# Altium PCB ctrl_panel.PcbDoc (part 1 of 2)
Units mm, origin at the board's own origin, x right, y up, seen from the top; angles counter-clockwise.
Board outline 182.3 x 81.4 mm, 4 copper layers (Top Layer, Layer 1, Layer 2, Bottom Layer), stack 1.539 mm thick; 90 components, 208 nets, 651 pads, 199 vias.
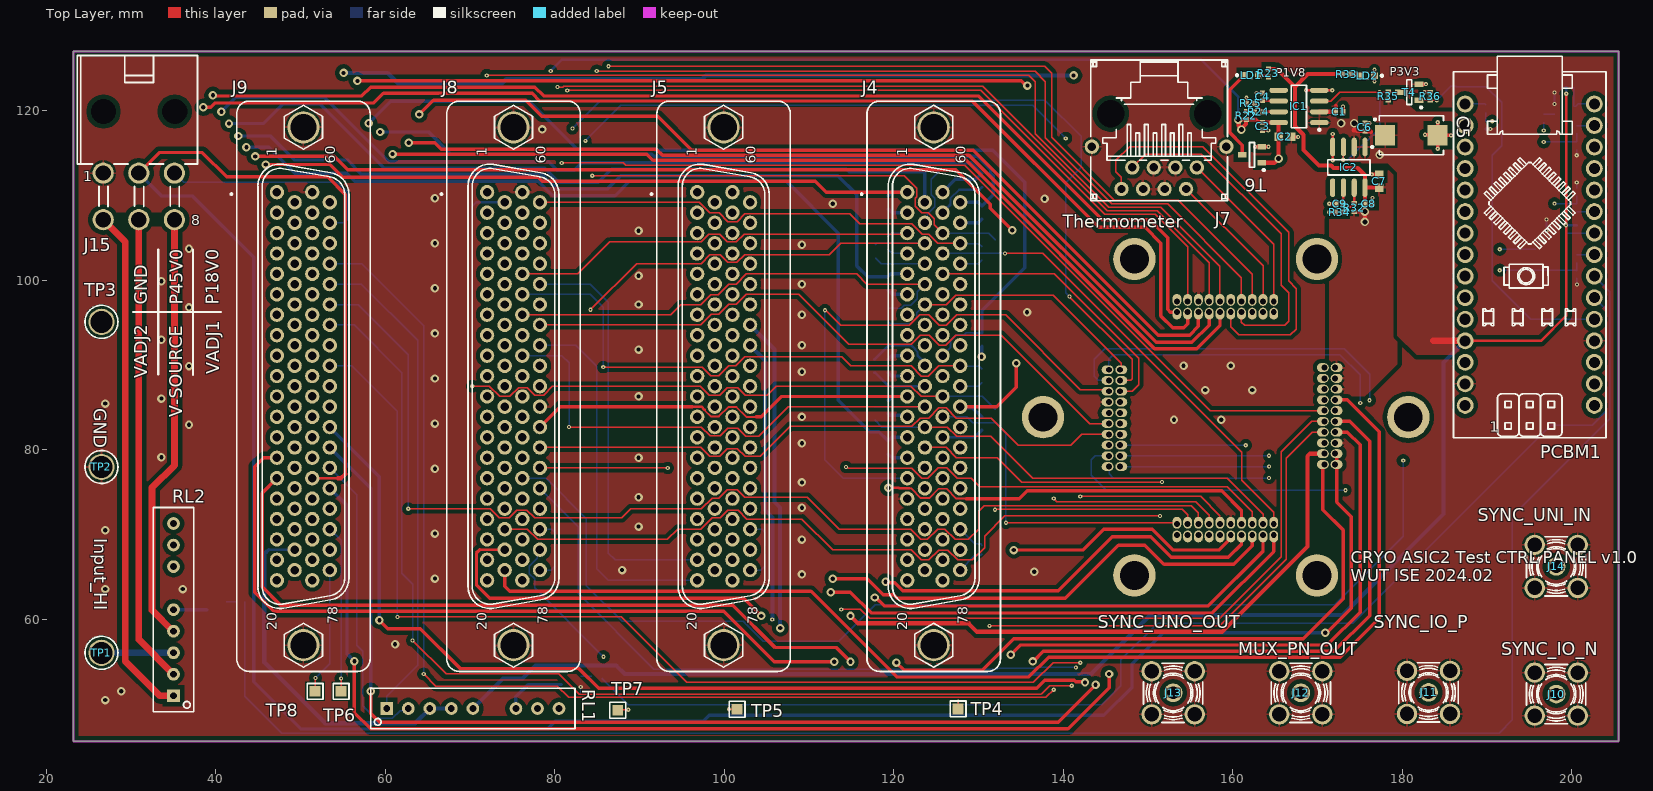
[diagram p0: Top Layer view]
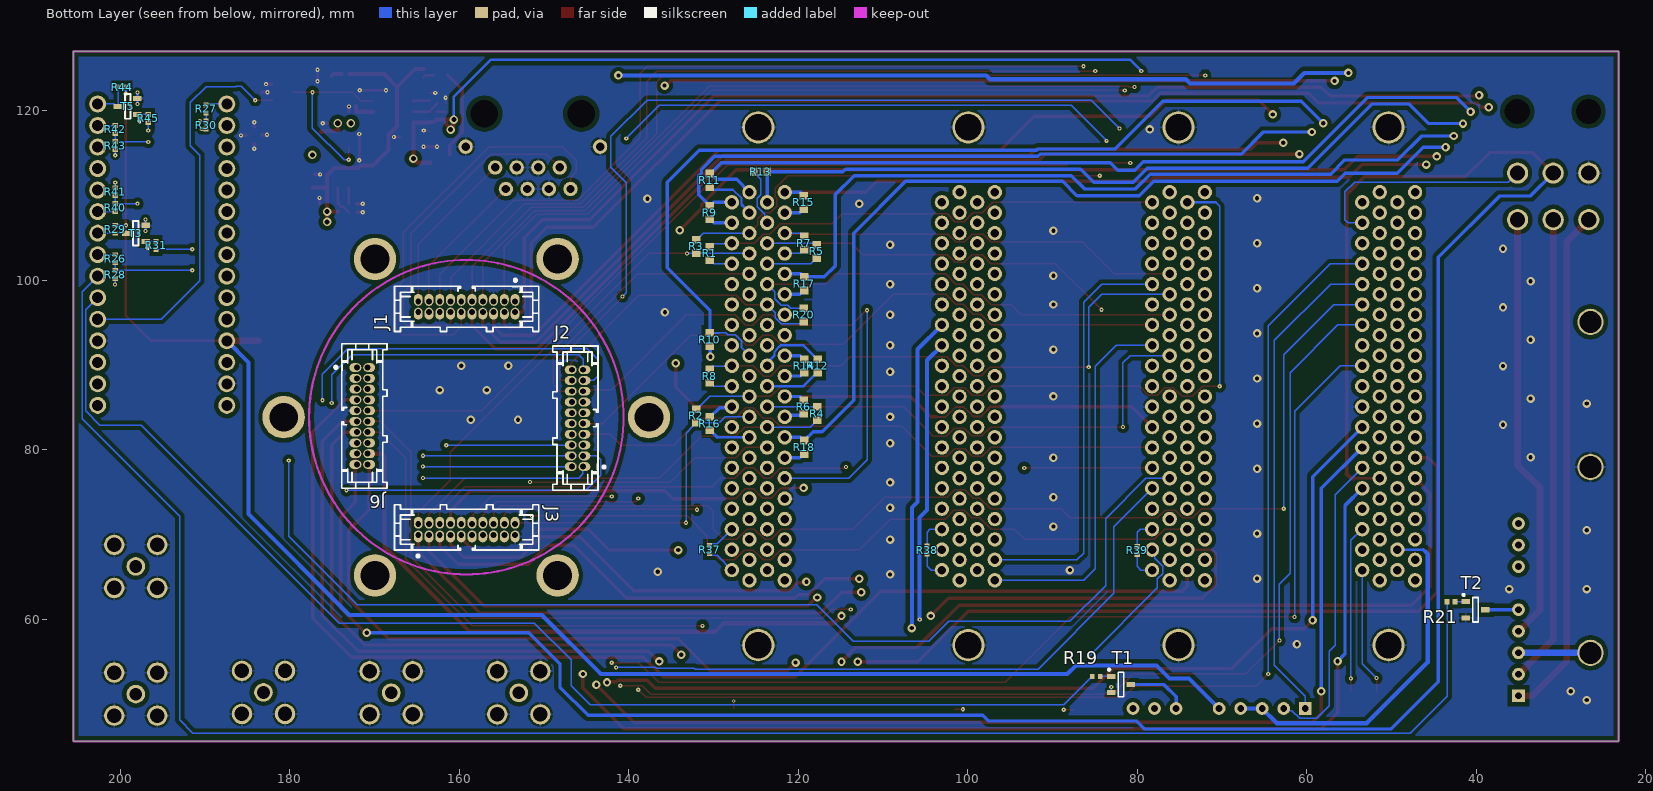
[diagram p1: Bottom Layer view, seen from below]
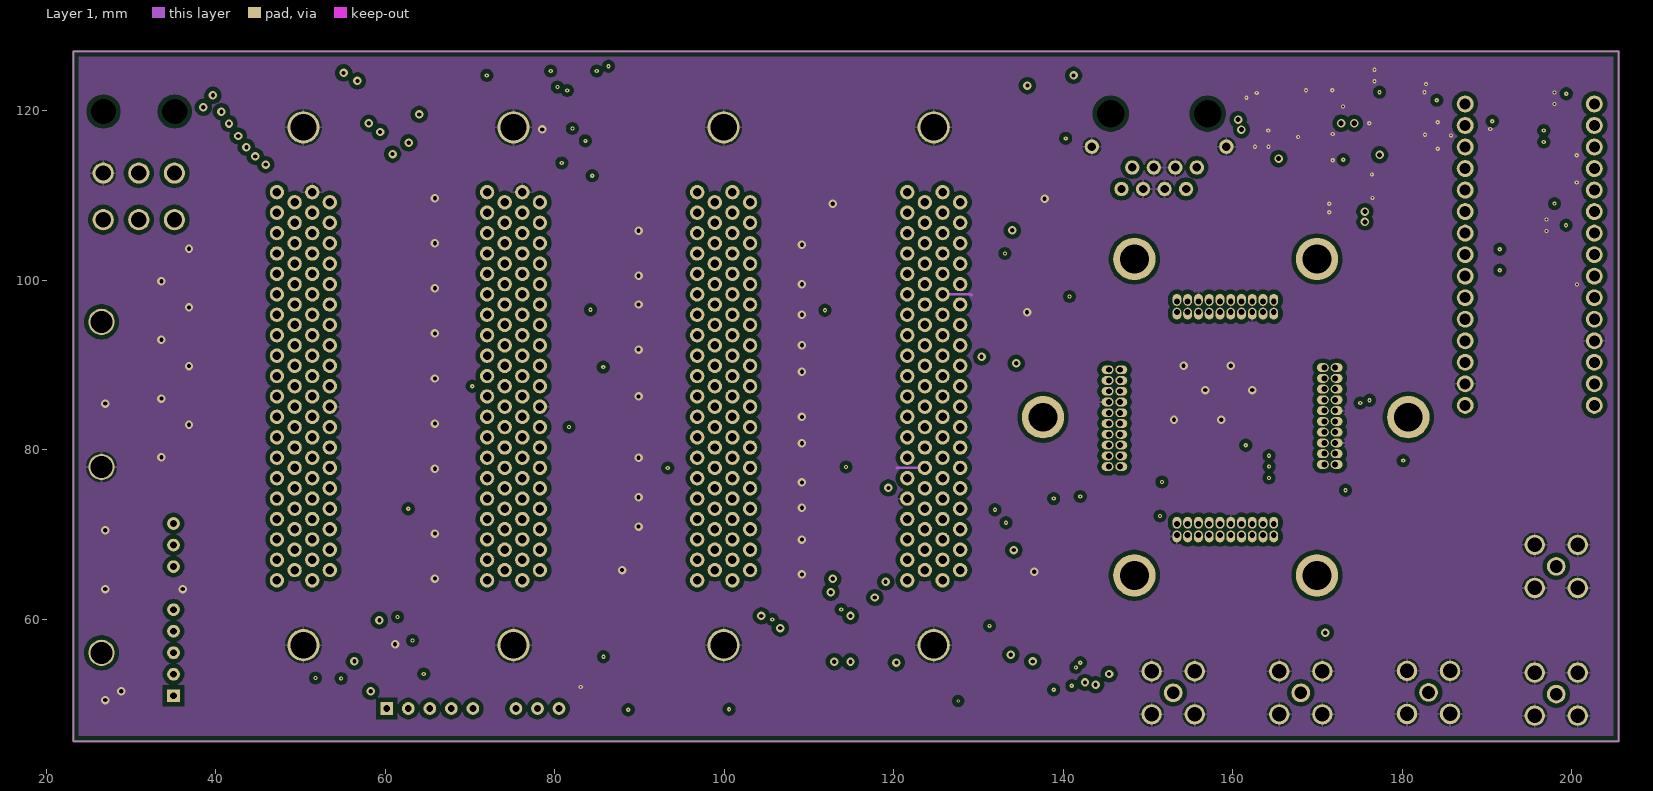
[diagram p2: Layer 1]
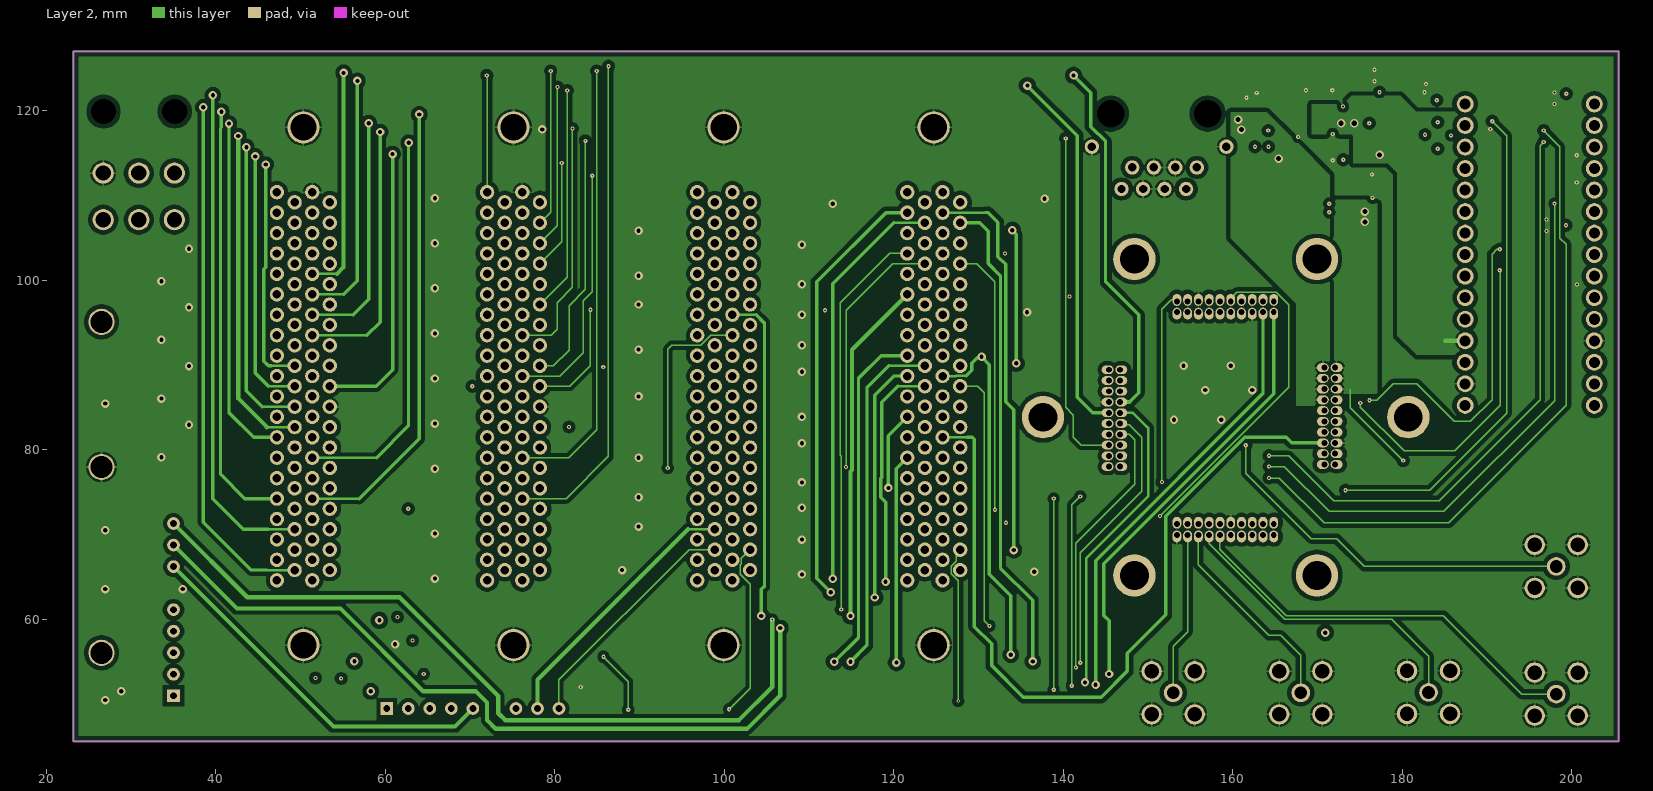
[diagram p3: Layer 2]
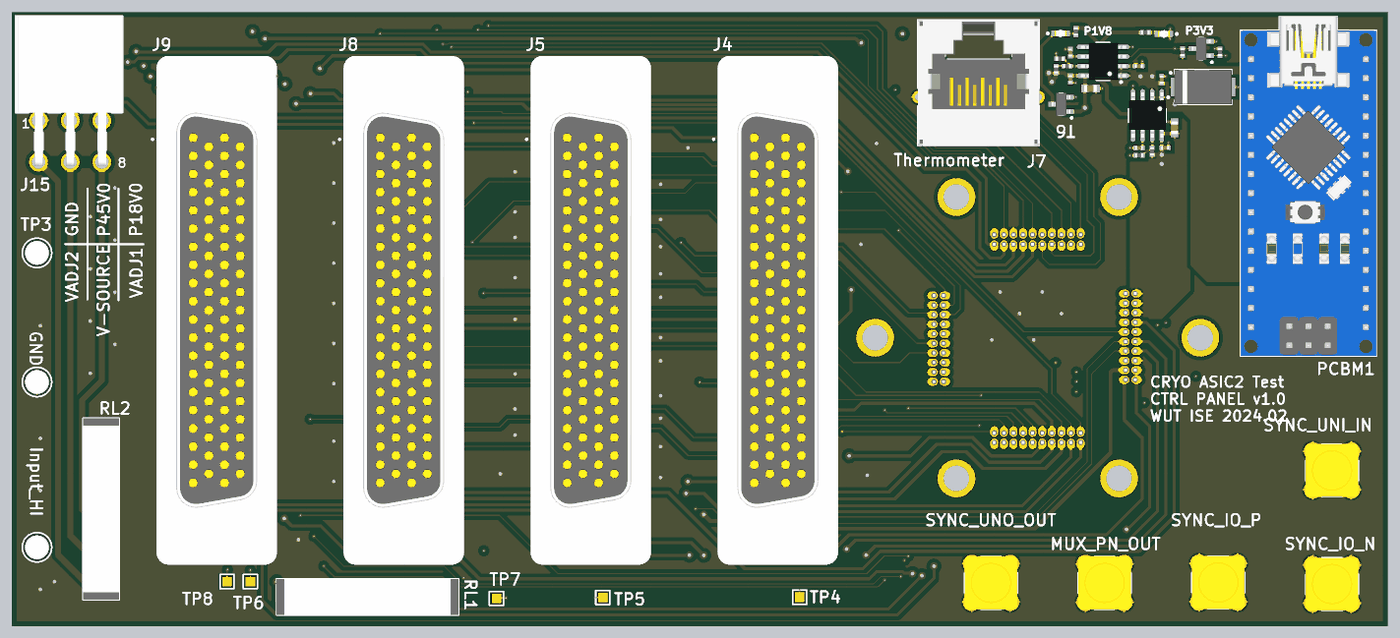
[diagram p5: 3D render of the assembled board from above, using the file's embedded part models]
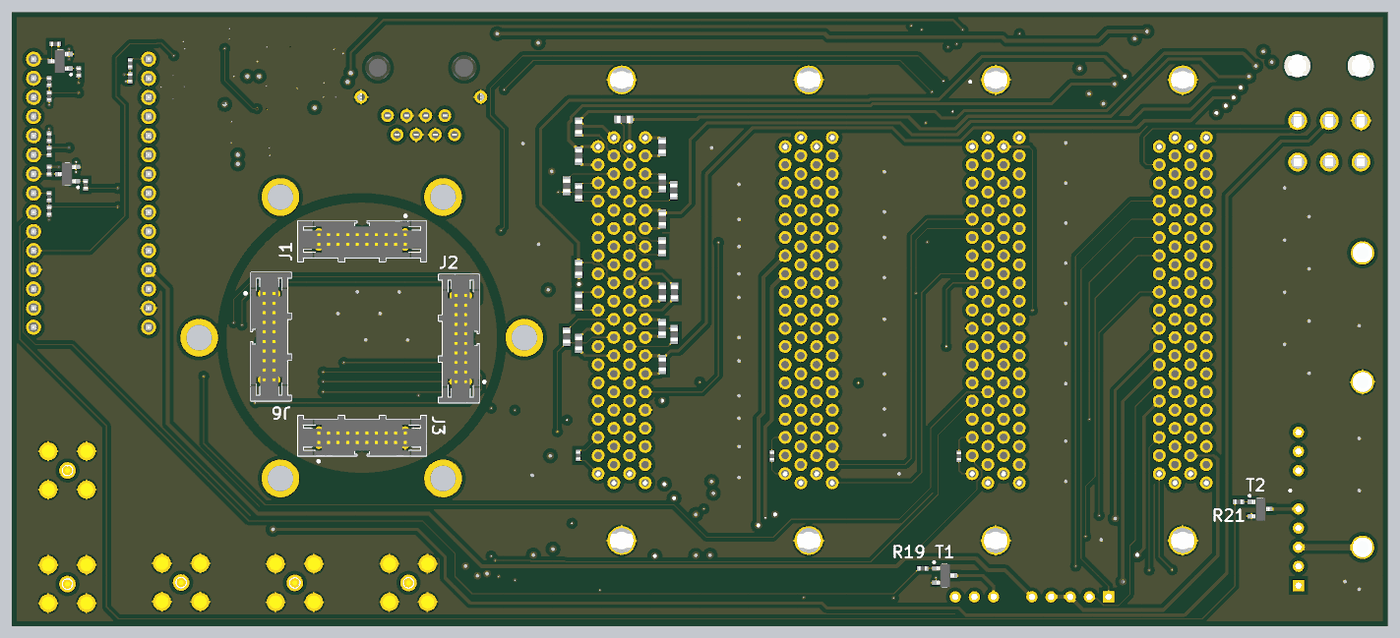
[diagram p6: 3D render of the assembled board from below, using the file's embedded part models]

## Layer stack, top to bottom
Top Solder: solder mask 0.0102, Solder Resist, Dk 3.5
Top Layer: signal copper 0.018
Dielectric 2: prepreg 0.1803, PP-021, Dk 4.7
Dielectric 4: prepreg 0.1803, PP-021, Dk 4.7
Layer 1: signal copper 0.035
Dielectric 1: core 0.7112, Core-039, Dk 4.8
Layer 2: signal copper 0.035
Dielectric 5: prepreg 0.1803, PP-021, Dk 4.7
Dielectric 3: prepreg 0.1803, PP-021, Dk 4.7
Bottom Layer: signal copper 0.018
Bottom Solder: solder mask 0.0102, Solder Resist, Dk 3.5

## Board outline
23.2,45.6 23.2,127 205.5,127 205.5,45.6

## Design rules (kind name [scope] priority, off if disabled: settings)
Clearance Clearance_1 [InNetClass('Imax30') or InNetClass('Imax45')] p1: gap=0.5 ignorepadtopadclearanceinfootprint=FALSE except(0.2: Arc-Arc Arc-Track Arc-SMDPad Arc-THPad Arc-Via Arc-Text Arc-Hole Track-Track Track-SMDPad Track-THPad Track-Via Track-Text Track-Hole SMDPad-SMDPad SMDPad-THPad SMDPad-Via SMDPad-Text SMDPad-Hole THPad-THPad THPad-Via THPad-Text THPad-Hole Via-Via Via-Text Via-Hole Text-Text Text-Hole)
Clearance [All] p2: gap=0.127 ignorepadtopadclearanceinfootprint=FALSE except(0.5: Arc-Poly Track-Poly SMDPad-Poly THPad-Poly Via-Poly Fill-Poly Poly-Poly Poly-Region Poly-Text Poly-Hole)
DiffPairsRouting [All] p1: maxlimit=0.254 minlimit=0.254 mostfreqgap=0.254 toplayer_minwidth=0.152 toplayer_maxwidth=0.381 toplayer_prefwidth=0.381 midlayer1_minwidth=0.152 midlayer1_maxwidth=0.381 midlayer1_prefwidth=0.381 midlayer2_minwidth=0.152 midlayer2_maxwidth=0.381 midlayer2_prefwidth=0.381 bottomlayer_minwidth=0.152 bottomlayer_maxwidth=0.381 bottomlayer_prefwidth=0.381 maxuncoupledlength=12.7
HoleSize [All] p1: absolutevalues=TRUE maxlimit=5 minlimit=0.2 maxpercent=80.000 minpercent=20.000
MinimumSolderMaskSliver [All] p1 off: minsoldermaskwidth=0.254
PolygonConnect Via [All vs IsVia] p1: connectstyle=Direct reliefconductorwidth=0.254 reliefentries=4 polygonreliefangle="90 Angle" airgapwidth=0.254
PolygonConnect [All] p2: connectstyle=Relief reliefconductorwidth=0.254 reliefentries=4 polygonreliefangle="90 Angle" airgapwidth=0.254
RoutingVias RoutingVias_1 [InNetClass('Imax30') or InNetClass('Imax45')] p1: holewidth=0.5 width=1 viastyle="Through Hole" minholewidth=0.5 minwidth=1 maxholewidth=0.5 maxwidth=1
RoutingVias [All] p2: holewidth=0.2 width=0.5 viastyle="Through Hole" minholewidth=0.2 minwidth=0.4 maxholewidth=0.711 maxwidth=1 viatemplateguid#1={C6DFBB91-ED27-42AF-86C9-B59DD49ECB67} viatemplatename#1=v50h20m0mx0
SilkToSilkClearance [All] p1 off: silktosilkclearance=0.254
SilkToSolderMaskClearance [IsPad] p1 off: minsilkscreentomaskgap=0.254 clearancetoexposedcopper=TRUE
SolderMaskExpansion [All] p1: expansion=0.102 istentingtop=FALSE
Width Width_imax45 [InNetClass('Imax45')] p1: maxlimit=1 minlimit=0.3 preferedwidth=0.5
Width Width_imax30 [InNetClass('Imax30')] p2: maxlimit=1 minlimit=0.21 preferedwidth=0.4
Width [All] p3: maxlimit=5.08 minlimit=0.127 preferedwidth=0.254
25 further rules are at their usual default settings.

## Classes and differential pairs
net class Imax45: BANK_P45V0_VADJ0 D16 DP16 MUX_VOL_0 P18V0/P45V0_VADJ0 P45V0 S16 VADJ1
net class Imax30: BANK_P3V3_VADJ0 D5 D8 D9 D10 D11 D12 D13 D14 D15 D17 DP5 DP8 DP9 DP10 DP11 DP12 DP13 DP14 DP15 DP17 S5 S8 S9 S10 S11 S12 S13 S14 S15 S17
net class Imax7: D4 D6 D7 DP4 DP6 DP7 DRAIN_MUX_N DRAIN_MUX_P S4 S6 S7
net class Imax5: BANK_P1V8_VADJ0 D0 D1 D2 D3 DP0 DP1 DP2 DP3 S0 S1 S2 S3
component class Card_3723: J4 J5 R37 R38 TP4 TP5
net class D[17..0]: D0 D1 D2 D3 D4 D5 D6 D7 D8 D9 D10 D11 D12 D13 D14 D15 D16 D17
net class S[17..0]: S0 S1 S2 S3 S4 S5 S6 S7 S8 S9 S10 S11 S12 S13 S14 S15 S16 S17
net class G[7..0]: G0 G1 G2 G3 G4 G5 G6 G7
net class DP[17..0]: DP0 DP1 DP2 DP3 DP4 DP5 DP6 DP7 DP8 DP9 DP10 DP11 DP12 DP13 DP14 DP15 DP16 DP17
component class Card_3732: J8 J9 R39 TP6 TP7 TP8
component class top: C1 C2 C3 C4 C5 C6 C7 C8 C9 IC1 IC2 J1 J2 J3 J6 J7 J10 J11 J12 J13 J14 J15 LD1 LD2 PCBM1 R1 R2 R3 R4 R5 R6 R7 R8 R9 R10 R11 R12 R13 R14 R15 R16 R17 R18 R19 R20 R21 R22 R23 R24 R25 R26 R27 R28 R29 R30 R31 R32 R33 R34 R35 R36 R40 R41 R42 R43 R44 R45 RL1 RL2 T1 T2 T3 T4 T5 T6 TP1 TP2 TP3

## Components (designator, comment, footprint, x,y, rotation, side; value= is the part's Value field where it differs from the comment)
C1 "4.7uF" CAPC1005X55N 172.544,119.889 r180 top
C2 "10uF" CAPC1608X80N 166.144,116.914 r180 top
C3 "100nF" CAPC1005X55N 163.494,118.164 r90 top
C4 "1nF" CAPC1005X55N 163.494,121.664 r270 top
C5 "220uF" CAPMP7343X430N 181.06,117.108 r0 top
C6 "4.7uF" CAPC1005X55N 175.58,118.079 r270 top
C7 "10uF" CAPC1608X80N 177.28,111.697 r270 top
C8 "100nF" CAPC1005X55N 176.03,109.047 r180 top
C9 "1nF" CAPC1005X55N 172.58,109.035 r0 top
IC1 "MCP1727-ADJE/SN" SO-8 167.794,120.514 r180 top value=MCP1726-ADJE/SN
IC2 "MCP1727-ADJE/SN" SO-8 173.68,113.335 r270 top value=MCP1726-ADJE/SN
J1 "Header 20" 3M_45220-600230 159.108,96.879 r0 bottom
J2 "Header 20" 3M_45220-600230 146.027,83.734 r90 bottom
J3 "Header 20" 3M_45220-600230 159.108,70.589 r180 bottom
J4 "D-Sub 78F" "HARTING_09 56 551 7513" 124.699,87.5 r90 top
J5 "D-Sub 78F" "HARTING_09 56 551 7513" 99.91,87.5 r90 top
J6 "Header 20" 3M_45220-600230 171.427,83.988 r270 bottom
J7 "RJ45" TYCO_6368150-1 151.3,112.043 r180 top
J8 "D-Sub 78F" "HARTING_09 56 551 7513" 75.12,87.5 r90 top
J9 "D-Sub 78F" "HARTING_09 56 551 7513" 50.33,87.5 r90 top
J10 "SMA" SAMTEC_SMA-J-P-H-ST-TH1 198.15,51.175 r0 top
J11 "SMA" SAMTEC_SMA-J-P-H-ST-TH1 183.083,51.375 r0 top
J12 "SMA" SAMTEC_SMA-J-P-H-ST-TH1 168.017,51.325 r0 top
J13 "SMA" SAMTEC_SMA-J-P-H-ST-TH1 152.95,51.325 r0 top
J14 "SMA" SAMTEC_SMA-J-P-H-ST-TH1 198.15,66.242 r0 top
J15 "Mini-Fit Jr.™" MOLEX_39-30-0060 30.908,109.9 r0 top
LD1 "Green" LED_KINGBRIGHT_KP-1608CGCK 162.175,124.2 r0 top
LD2 "Green" LED_KINGBRIGHT_KP-1608CGCK 175.877,124.141 r180 top
PCBM1 "PCBM_ARDUINO NANO" "PCBM_ARDUINO NANO_a" 195.025,103.025 r270 top
R1 "0R1" RESC1608X55N 130.4,103.165 r270 bottom
R2 "0R1" RESC1608X55N 132,84 r270 bottom
R3 "0R1" RESC1608X55N 132,104 r270 bottom
R4 "0R1" RESC1608X55N 117.753,84.27 r270 bottom
R5 "0R1" RESC1608X55N 117.8,103.4 r270 bottom
R6 "0R1" RESC1608X55N 119.329,85.07 r270 bottom
R7 "0R1" RESC1608X55N 119.3,104.4 r270 bottom
R8 "0R1" RESC1608X55N 130.4,88.705 r270 bottom
R9 "0R1" RESC1608X55N 130.4,108 r270 bottom
R10 "0R1" RESC1608X55N 130.4,93 r270 bottom
R11 "0R1" RESC1608X55N 130.4,111.8 r270 bottom
R12 "0R1" RESC1608X55N 117.7,89.9 r270 bottom
R13 "0R1" RESC1608X55N 124.437,112.8 r0 bottom
R14 "0R1" RESC1608X55N 119.3,89.9 r270 bottom
R15 "0R1" RESC1608X55N 119.329,109.195 r270 bottom
R16 "0R1" RESC1608X55N 130.4,83.099 r270 bottom
R17 "0R1" RESC1608X55N 119.3,99.6 r270 bottom
R18 "0R1" RESC1608X55N 119.3,80.3 r270 bottom
R19 "1k" RESC1005X40N 84.825,53.255 r180 bottom
R20 "0R1" RESC1608X55N 119.329,95.91 r270 bottom
R21 "1k" RESC1005X40N 42.954,62.085 r180 bottom
R22 "300" RESC1005X40N 161.594,119.439 r270 top
R23 "1k" RESC1005X40N 164.192,124.451 r90 top
R24 "16K9" RESC1005X40N 163.039,119.889 r180 top
R25 "5k1" RESC1005X40N 162.094,120.864 r0 top
R26 "1k1" RESC1005X40N 200.575,102.55 r90 bottom
R27 "1k1" RESC1005X40N 189.85,120.225 r90 bottom
R28 "2k" RESC1005X40N 200.575,100.675 r90 bottom
R29 "1k" RESC1005X40N 200.575,106.025 r90 bottom
R30 "2k" RESC1005X40N 189.85,118.325 r90 bottom
R31 "1k" RESC1005X40N 195.75,104.125 r90 bottom
R32 "36k" RESC1005X40N 174.305,108.585 r270 top
R33 "1k" RESC1005X40N 173.42,124.329 r180 top
R34 "5k1" RESC1005X40N 172.58,108.035 r0 top
R35 "10k" RESC1005X40N 178.34,121.729 r90 top
R36 "10k" RESC1005X40N 183.285,121.723 r90 top
R37 "0" RESC1005X40N 130.45,68.225 r90 bottom
R38 "0" RESC1005X40N 104.78,68.176 r90 bottom
R39 "0" RESC1005X40N 79.99,68.13 r90 bottom
R40 "1k1" RESC1005X40N 200.575,108.575 r270 bottom
R41 "2k" RESC1005X40N 200.575,110.45 r270 bottom
R42 "1k1" RESC1005X40N 200.575,117.795 r90 bottom
R43 "2k" RESC1005X40N 200.575,115.9 r90 bottom
R44 "1k" RESC1005X40N 199.775,122.8 r180 bottom
R45 "1k" RESC1005X40N 196.675,119.095 r90 bottom
RL1 "REL_PICKERING_107-2-C-5/3D" REL_PICKERING_107-2-C 70.325,49.475 r0 top value=5VDC
RL2 "REL_PICKERING_107-2-C-5/3D" REL_PICKERING_107-2-C 35,61.14 r90 top value=5VDC
T1 "BC817-25" SOT95P230X110-3N 81.9,52.305 r180 bottom
T2 "BC817-25" SOT95P230X110-3N 40.078,61.13 r180 bottom
T3 "BC817-25" SOT95P230X110-3N 198.15,105.55 r0 bottom
T4 "BSS138LT1G" SOT95P240X110-3N 180.81,122.199 r180 top
T5 "BC817-25" SOT95P230X110-3N 199.1,120.525 r0 bottom
T6 "BSS138LT1G" SOT95P240X110-3N 162.25,114.808 r180 top
TP1 "1502-2" KSTN-1502-2 26.504,56.05 r0 top
TP2 "1502-2" KSTN-1502-2 26.504,77.975 r0 top
TP3 "1502-2" KSTN-1502-2 26.505,95.1 r0 top
TP4 "Test Point" TPS127 127.579,49.425 r0 top
TP5 "Test Point" TPS127 101.495,49.385 r0 top
TP6 "Test Point" TPS127 54.78,51.5 r0 top
TP7 "Test Point" TPS127 87.41,49.275 r0 top
TP8 "Test Point" TPS127 51.7,51.5 r0 top

## Footprints (in the part's own frame and the unit in brackets; to place one, negate y for a bottom-side part, rotate by r counter-clockwise, add the part's x,y. Pads: shape width x height; smd on the part's side, far side on the other; paste and mask are expansions set on the pad)
3M_45220-600230 [mm] "20 Contacts - 1.27mm (0.050\") Pitch - Shrouded Boardmount Vertical Header Without Latch/Ejectors, 452 Series"
  oval 1.05x1.4 hole 0.7 copper offset 0,-0.175: 1(-5.715,-0.635) 3(-4.445,-0.635) 5(-3.175,-0.635) 7(-1.905,-0.635) 9(-0.635,-0.635) 11(0.635,-0.635) 13(1.905,-0.635) 15(3.175,-0.635) 17(4.445,-0.635) 19(5.715,-0.635)
  oval 1.05x1.4 hole 0.7 copper offset 0,0.175: 2(-5.715,0.635) 4(-4.445,0.635) 6(-3.175,0.635) 8(-1.905,0.635) 10(-0.635,0.635) 12(0.635,0.635) 14(1.905,0.635) 16(3.175,0.635) 18(4.445,0.635) 20(5.715,0.635)
  silkscreen extent -8.51,-3.28 8.51,2.92, body extent -8.51,-2.41 8.51,2.92, height 5.65
CAPC1005X55N [mm] "Capacitor, Non-Polarized, Chip; 1.00mm L X 0.50mm W X 0.70mm H, IPC Medium Density"
  rect 0.62x0.62 smd: 1(-0.45,0) 2(0.45,0)
  body extent -0.52,-0.27 0.53,0.28, height 0.55
CAPC1608X80N [mm] "Chip Capacitor, Body 1.6x0.8mm IPC Medium Density"
  rect 1x1 smd: 1(-0.75,0) 2(0.75,0)
  body extent -0.87,-0.47 0.88,0.48, height 0.8
CAPMP7343X430N [mm] "Capacitor, Polarized, Molded  Body 7.3x4.3mm, IPC Medium Density"
  rect 2.35x2.45 smd: 1(-3.1,0) 2(3.1,0)
  silkscreen extent -4.42,-2.3 3.8,2.3, body extent -3.8,-2.3 3.8,2.3, height 4.3
"HARTING_09 56 551 7513" [mm] "High Density Straight Female D-SUB 78 Contacts, with Grounding Board Locks and Female Screw Lock 4-40"
  round 1.7 hole 1: 1(22.895,3.12) 2(20.485,3.12) 3(18.075,3.12) 4(15.665,3.12) 5(13.255,3.12) 6(10.845,3.12) 7(8.435,3.12) 8(6.025,3.12) 9(3.615,3.12) 10(1.205,3.12) 11(-1.205,3.12) 12(-3.615,3.12) 13(-6.025,3.12) 14(-8.435,3.12) 15(-10.845,3.12) 16(-13.255,3.12) 17(-15.665,3.12) 18(-18.075,3.12) 19(-20.485,3.12) 20(-22.895,3.12) 21(21.695,1.04) 22(19.285,1.04) 23(16.875,1.04) 24(14.465,1.04) 25(12.055,1.04) 26(9.645,1.04) 27(7.235,1.04) 28(4.825,1.04) 29(2.415,1.04) 30(0.005,1.04) 31(-2.405,1.04) 32(-4.815,1.04) 33(-7.225,1.04) 34(-9.635,1.04) 35(-12.045,1.04) 36(-14.455,1.04) 37(-16.865,1.04) 38(-19.275,1.04) 39(-21.685,1.04) 40(22.895,-1.04) 41(20.485,-1.04) 42(18.075,-1.04) 43(15.665,-1.04) 44(13.255,-1.04) 45(10.845,-1.04) 46(8.435,-1.04) 47(6.025,-1.04) 48(3.615,-1.04) 49(1.205,-1.04) 50(-1.205,-1.04) 51(-3.615,-1.04) 52(-6.025,-1.04) 53(-8.435,-1.04) 54(-10.845,-1.04) 55(-13.255,-1.04) 56(-15.665,-1.04) 57(-18.075,-1.04) 58(-20.485,-1.04) 59(-22.895,-1.04) 60(21.695,-3.12) 61(19.285,-3.12) 62(16.875,-3.12) 63(14.465,-3.12) 64(12.055,-3.12) 65(9.645,-3.12) 66(7.235,-3.12) 67(4.825,-3.12) 68(2.415,-3.12) 69(0.005,-3.12) 70(-2.405,-3.12) 71(-4.815,-3.12) 72(-7.225,-3.12) 73(-9.635,-3.12) 74(-12.045,-3.12) 75(-14.455,-3.12) 76(-16.865,-3.12) 77(-19.275,-3.12) 78(-21.685,-3.12)